# EAGLE board ControlModule-pan2 (EAGLE 7.2.0), part 1 of 9
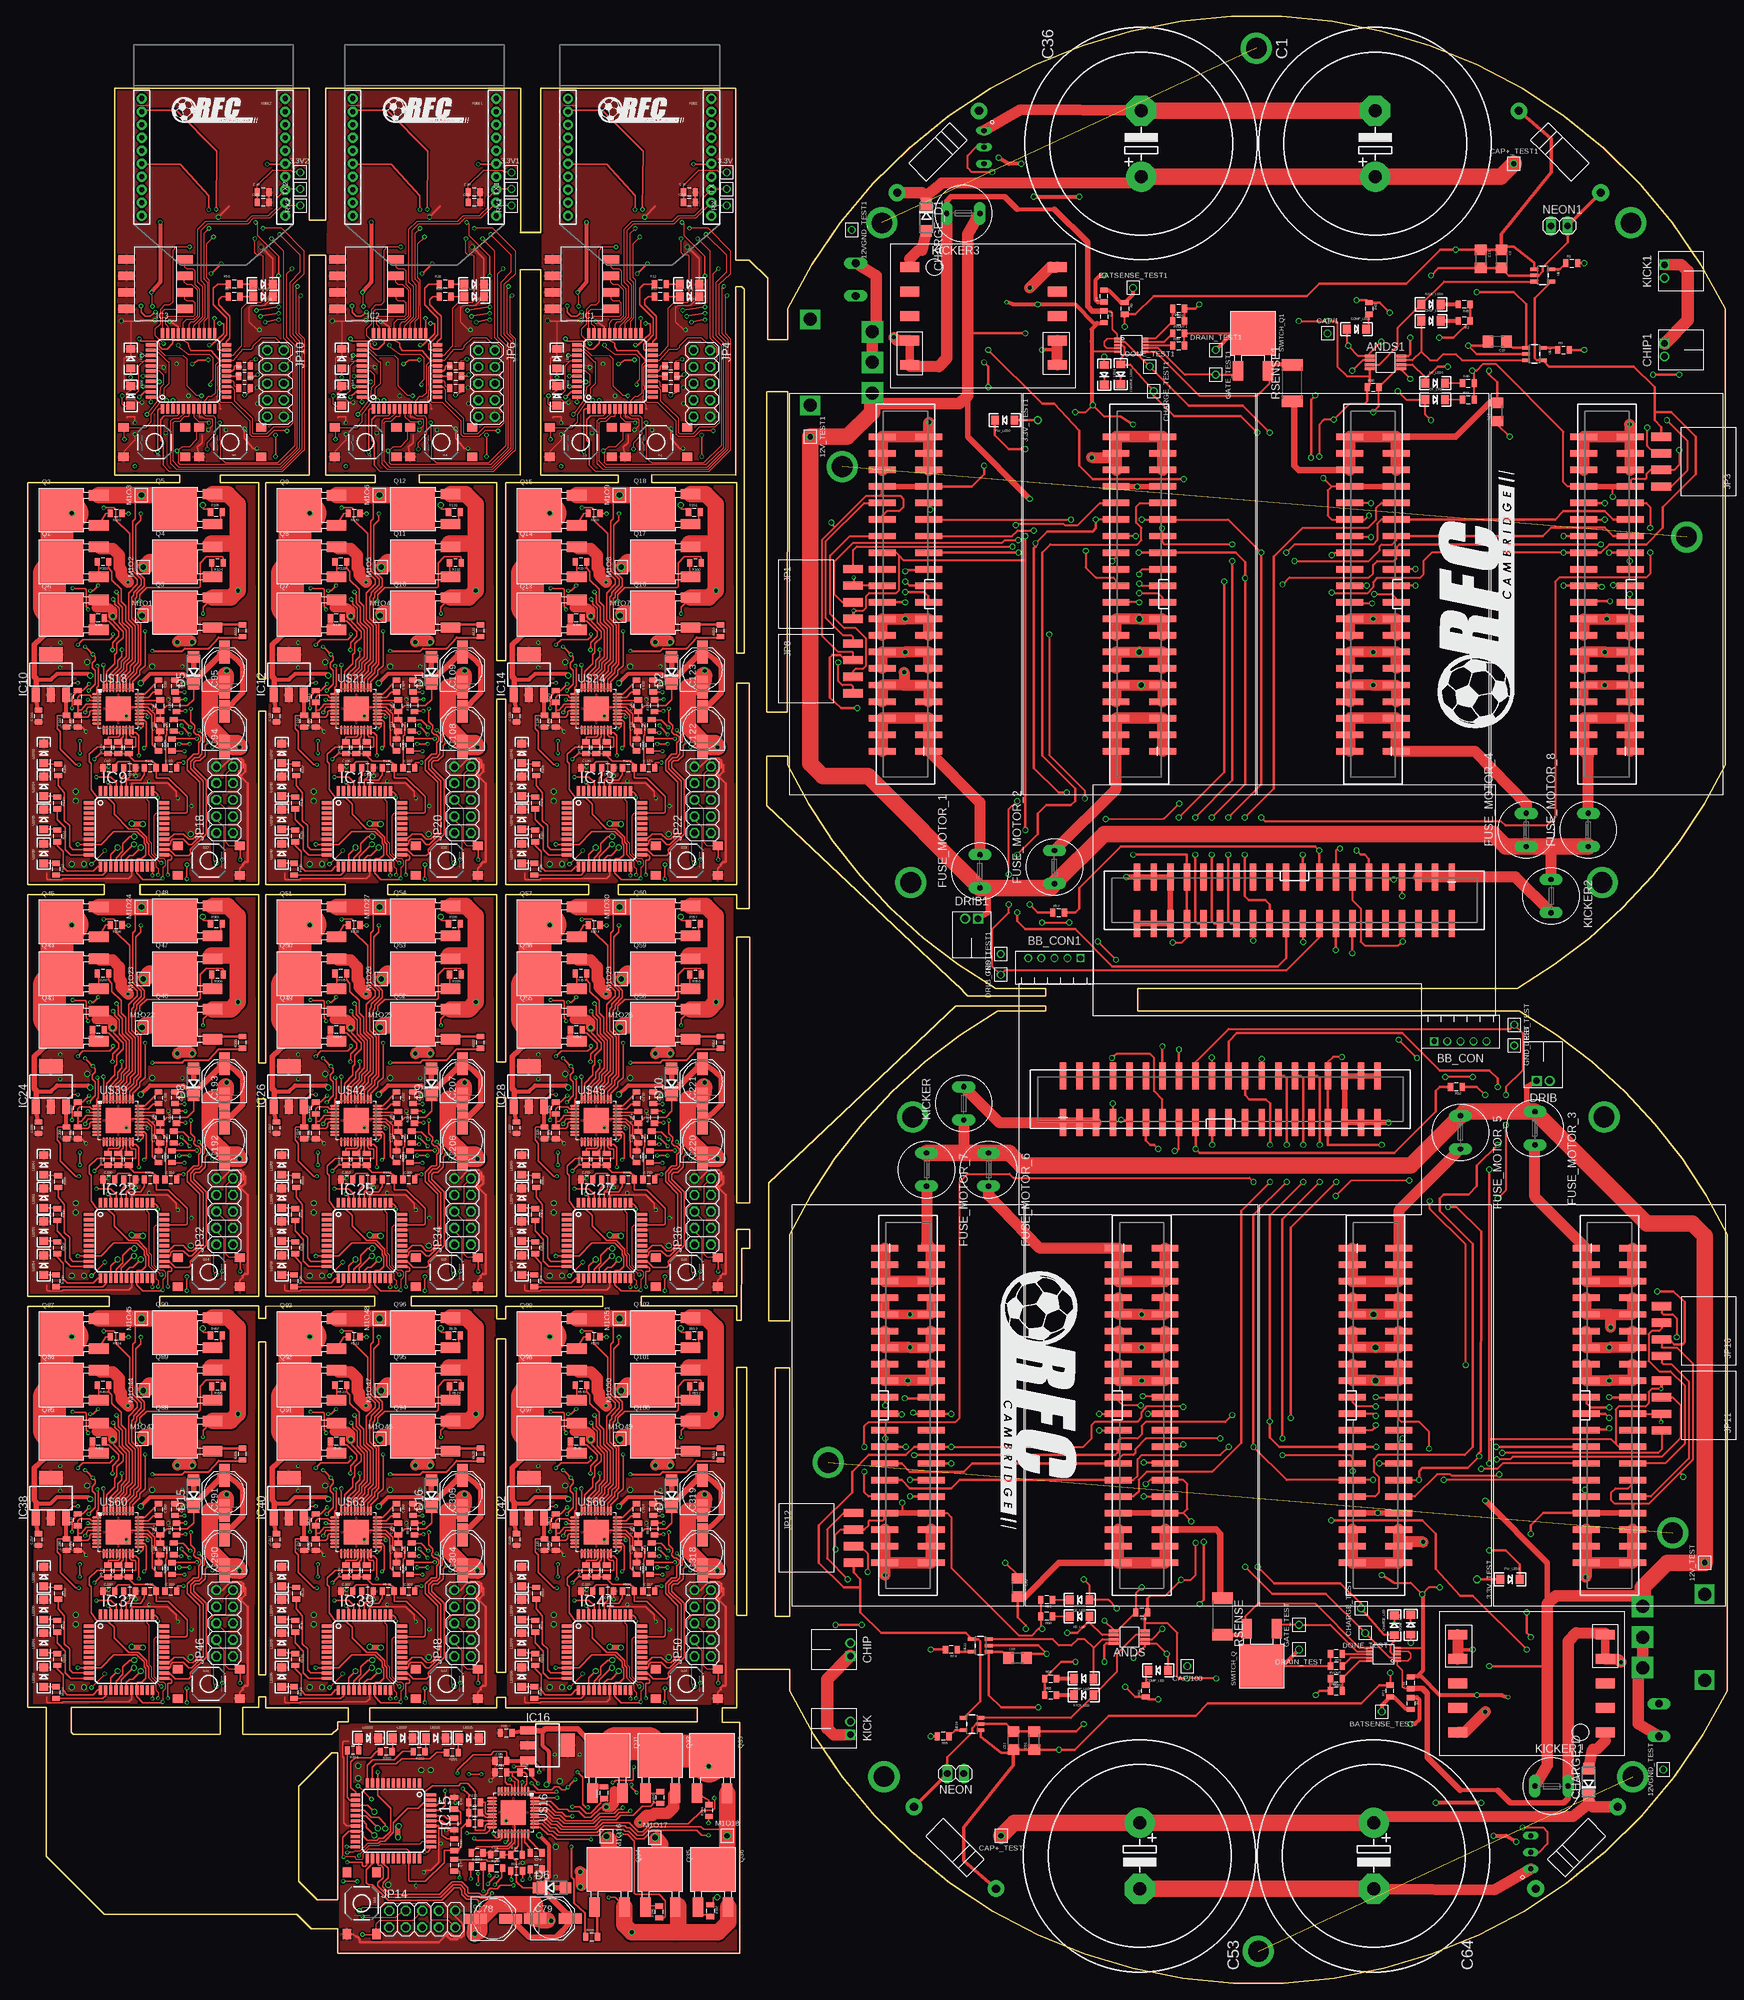
[diagram p0: board, top side]
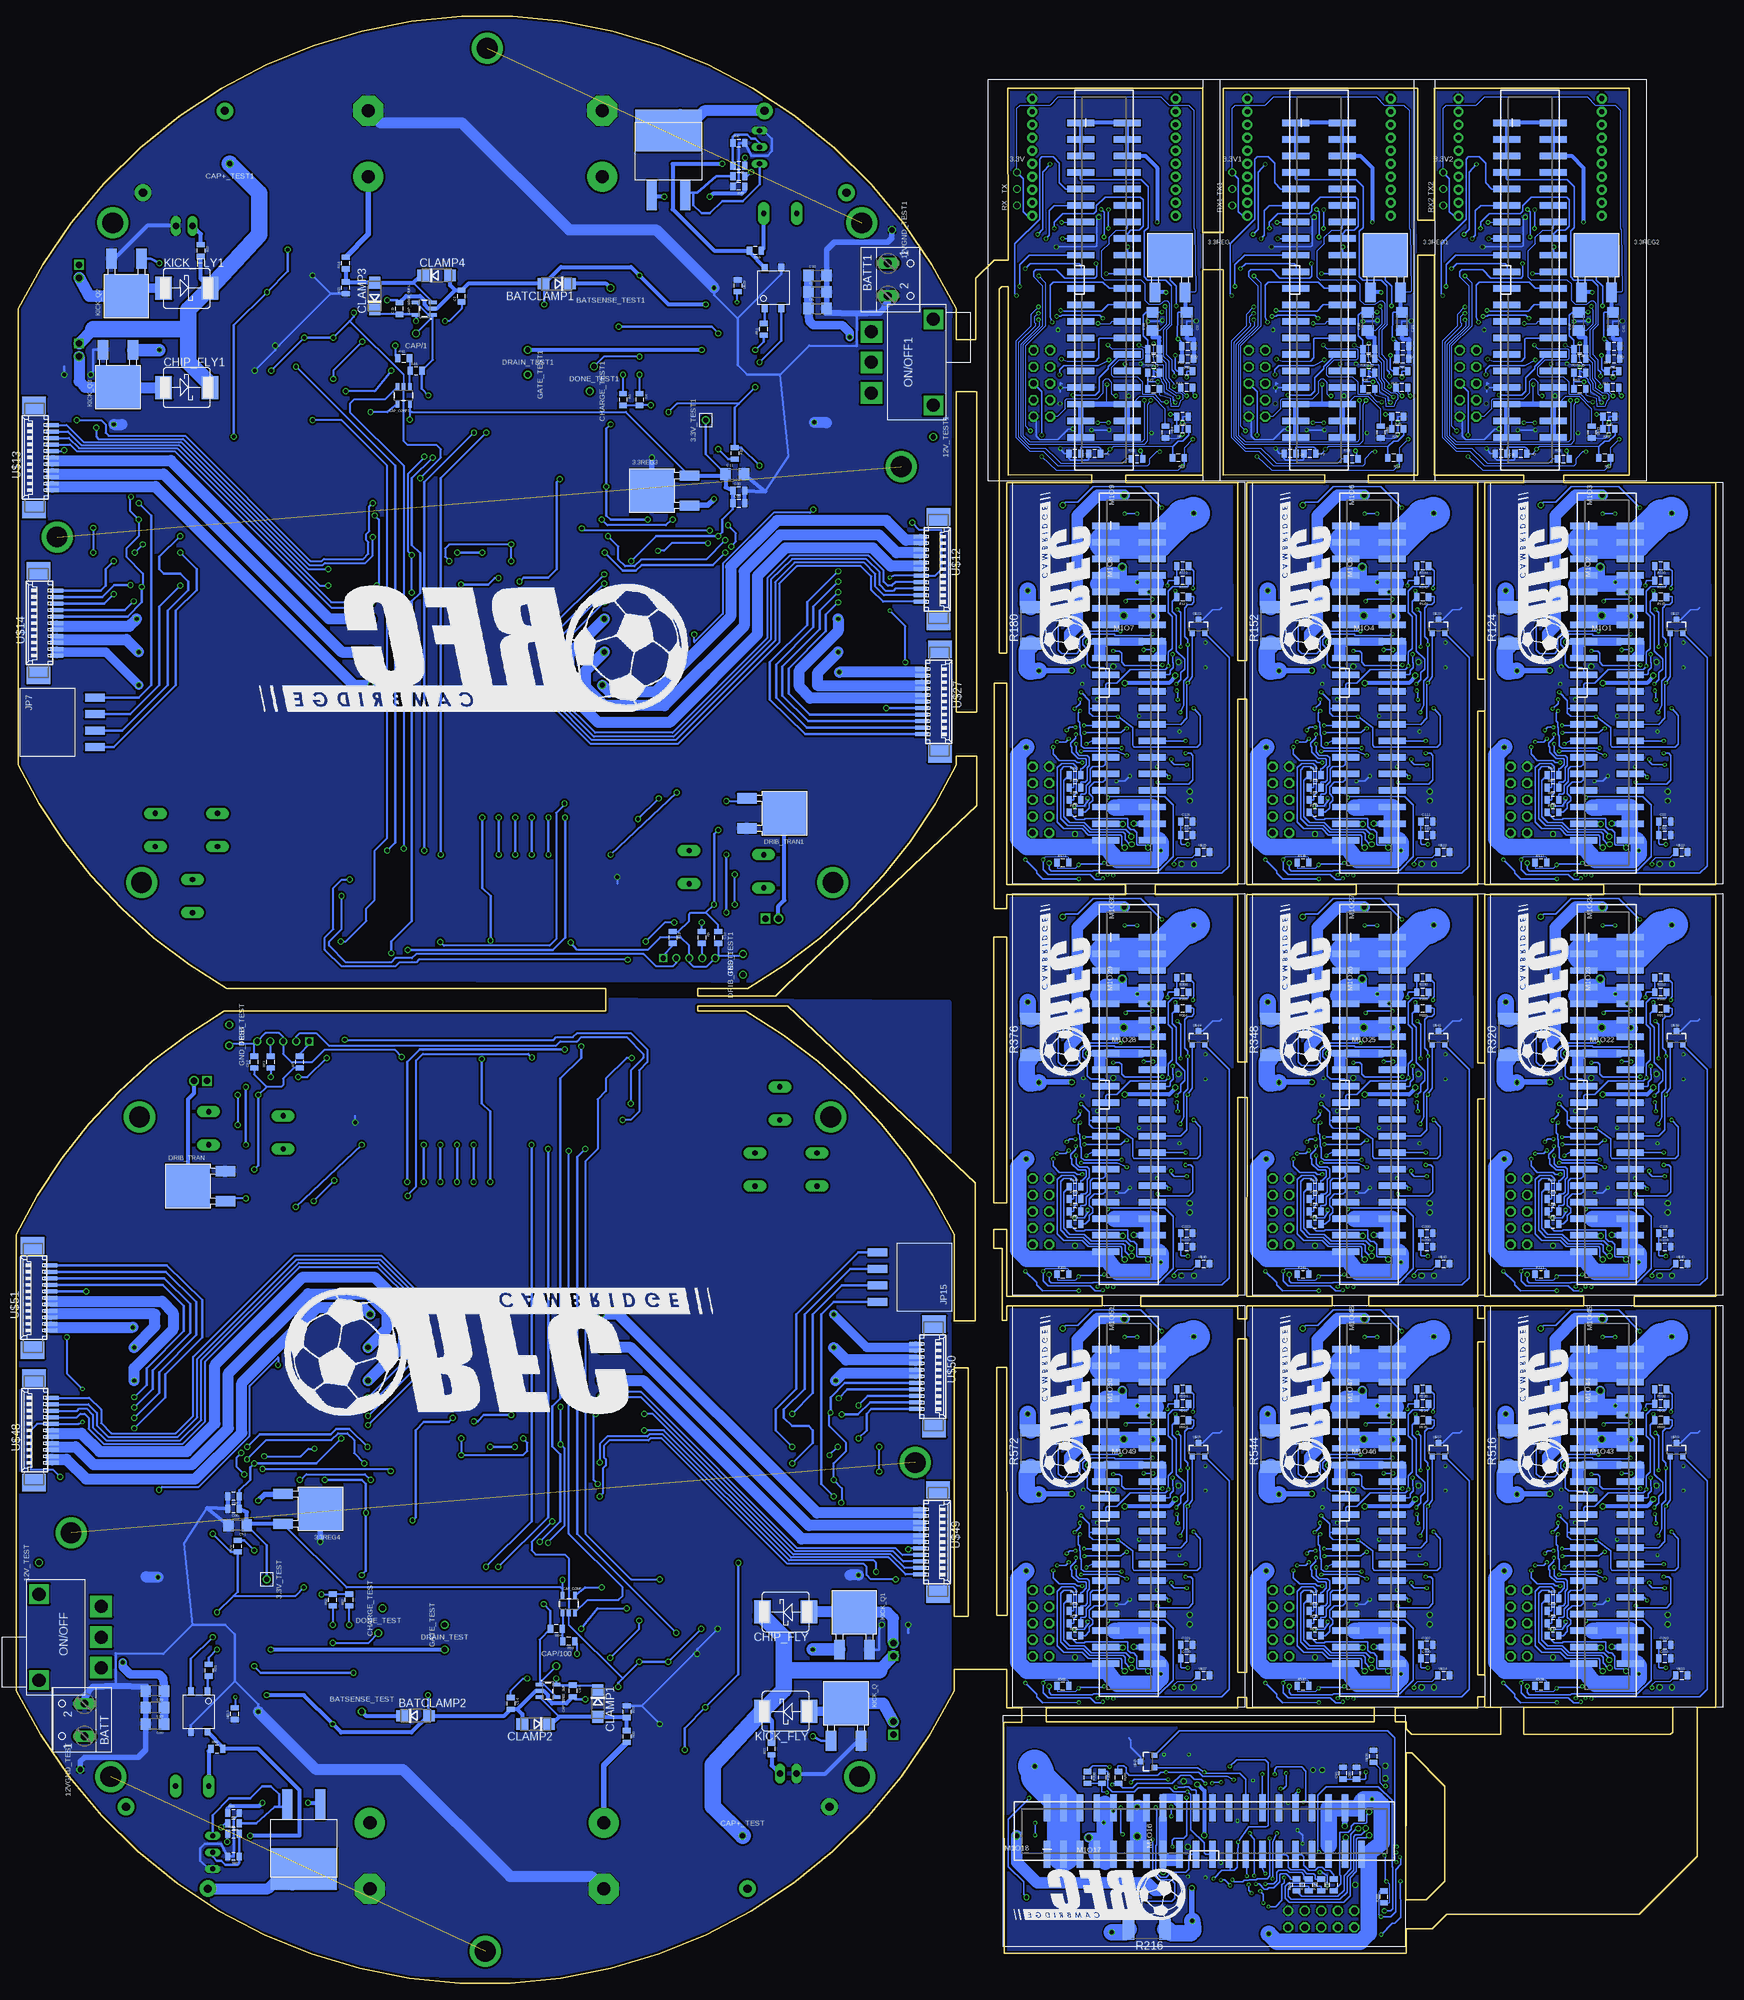
[diagram p1: board, bottom side, seen from below]

Size 260.75 x 301.86 mm. Coordinates in mm from the lower left corner, seen from the top.
Outline: 29.49,230.26 35.42,230.26 35.42,200.15 36.5,200.15
Outline: 17.22,167.08 17.22,168.61 35.42,168.61 35.41,195.22 36.5,195.22 36.51,168.61 48.69,168.6 48.69,167.08 36.51,167.08 36.51,141.23 35.42,141.23
Outline: 11.69,167.08 11.69,167.08
Outline: 35.41,200.15 36.51,200.15 36.51,230.29 53.32,230.27 53.32,231.48 45.69,231.48 45.7,265.22 43.21,265.22 43.18,231.48 29.49,231.47 29.49,230.27
Outline: 73.36,197.06 73.34,197.06
Outline: 73.34,197.06 73.34,168.61 86.03,168.6 86.03,167.08
Outline: 73.34,197.06 71.94,197.06 71.93,168.61 55.2,168.61 55.2,167.1 71.93,167.11 71.93,141.37
Outline: 73.34,230.26 73.36,202.97 71.93,202.97 71.93,230.29 60.02,230.27 60.02,231.49 75.56,231.48 75.57,262.96 78.72,262.96 78.71,231.48 90.55,231.48 90.55,230.27 73.33,230.26
Outline: 95.71,230.29 108.76,230.29 108.76,204.19
Outline: 108.79,199.56 108.76,168.61 90.58,168.61 90.58,167.08
Outline: 86.03,167.08 86.03,167.08
Outline: 11.69,167.08 0,167.08 0,105.42 12.47,105.42 12.47,103.91
Outline: 11.69,167.08 11.69,168.6 0,168.61 0,230.26 23.35,230.27 23.35,231.48 13.31,231.48 13.31,290.86 43.2,290.86 43.2,270.6 45.69,270.6
Outline: 17.2,168.6 17.2,167.08 35.42,167.11 35.42,141.23
Outline: 35.44,135.71 36.5,135.71 36.51,105.42 53.22,105.42
Outline: 35.44,135.71 35.42,105.42 20.27,105.41 20.27,103.91
Outline: 35.44,135.71 35.41,135.71
Outline: 35.41,141.23 35.42,141.23
Outline: 71.93,141.37 73.36,141.37 73.34,167.08 86.03,167.08
Outline: 73.36,135.91 73.34,135.91
Outline: 58.83,103.92 58.83,103.91
Outline: 53.22,105.42 53.22,103.91 36.51,103.9 36.5,103.9 36.5,102 35.44,102 35.44,103.92 35.42,103.92 20.25,103.93 20.25,105.43
Outline: 73.34,135.91 73.34,105.42 88.19,105.43 88.19,103.9 73.34,103.9 73.34,101.93 71.94,101.93
Outline: 73.34,135.91 71.91,135.91 71.93,105.42 58.83,105.43 58.83,103.92
Outline: 71.91,141.37 71.93,141.37
Outline: 90.55,168.6 90.55,167.08 108.76,167.11 108.76,164.97
Outline: 94.11,105.42 108.76,105.42 108.76,115.66 110.77,115.66 110.77,112.8 109.5,112.8 109.49,101.7 108.77,101.71 108.77,103.92 108.76,103.92 94.11,103.93 94.11,105.42
Outline: 12.47,105.43 12.47,103.9 0,103.9 0,42.32 2.82,42.32 2.82,19.45 11.71,10.56 41.24,10.56 43.46,8.34 47.52,8.34 47.52,4.63 109.2,4.63
Outline: 53.22,105.42 53.22,105.43
Outline: 58.83,103.92 71.93,103.92 71.93,101.93 73.33,101.93
Outline: 73.33,98.9 73.31,98.9
Outline: 73.36,43.84 73.34,43.86
Outline: 71.94,42.24 71.94,43.86 73.34,43.86
Outline: 71.94,42.24 71.94,42.24
Outline: 71.94,42.24 71.93,42.24 52.43,42.24 52.43,40.19 52.45,40.1 52.48,40.08 102.72,40.08 102.72,42.24 73.34,42.24 73.34,43.86
Outline: 73.31,98.9 73.36,47.67 71.94,47.67 71.94,98.9 73.31,98.9
Outline: 94.11,105.43 94.11,105.42
Outline: 108.79,94.47 108.74,56.46 110.32,56.46 110.32,94.49 108.79,94.49
Outline: 108.76,48.21 108.76,42.24 106.51,42.24 106.51,40.05
Outline: 106.51,40.08 106.51,42.24
Outline: 106.51,40.13 106.51,40.06 109.23,40.06 109.2,4.63
Outline: 142.4,149.95 113.64,122.78 113.64,101.67 116.87,101.67
Outline: 142.64,153.08 113.39,180.74 113.39,188.36 116.56,188.36 116.56,186.96 arc34 148.5,152.67 156.17,152.67 156.17,151.53 144.2,151.53 142.65,153.08
Outline: 113.39,244.24 113.39,195.04 116.54,195.04 116.56,244.24 113.54,244.24
Outline: 108.79,204.16 109.93,204.16 109.93,259.99 109.53,260.4 108.58,260.4 108.58,231.48 95.74,231.49 95.74,230.27
Outline: 108.82,199.56 110.7,199.56 110.7,164.92 108.77,164.92 108.77,164.94
Outline: 75.58,268.69 78.71,268.69 78.71,290.86 108.61,290.86 108.59,264.46 110.72,264.46 113.54,261.64 113.54,252.22 116.56,252.22 116.56,256.95 arc-128 260.43,256.95 260.43,186.96 arc-34 228.5,152.67 170.28,152.65 170.28,149.2
Outline: 45.69,270.6 45.69,290.86 75.59,290.86 75.59,268.69 78.7,268.69 78.7,268.68 75.57,268.68
Outline: 45.7,270.6 45.69,270.6
Outline: 116.87,101.67 116.88,114.91 arc-34 148.81,149.19 156.17,149.19 156.17,149.95 142.4,149.95
Outline: 116.87,101.67 116.88,101.67
Outline: 116.88,94.46 116.87,94.46
Outline: 116.87,94.46 114.68,94.46 114.68,56.28 116.87,56.28 116.87,94.46
Outline: 142.4,149.95 142.4,149.92
Outline: 170.28,149.19 170.28,149.2
Outline: 170.28,149.2 228.81,149.19 arc-34 260.75,114.91 260.75,44.91 arc-128 116.88,44.91 116.88,48.21 108.77,48.21
Outline: 108.77,160.58 108.77,119.78 110.77,119.78 110.75,160.58 108.77,160.58
Outline: 36.53,98.42 35.44,98.42 35.46,47.3 36.5,47.3 36.53,98.42
Outline: 35.45,43.96 35.45,42.32 32.98,42.31 32.98,38.19 46.64,38.19 46.64,38.17 47.52,39.05 47.52,40.11 49.18,40.11 49.18,42.24 36.5,42.24 36.49,43.96 35.45,43.96
Outline: 29.49,38.19 29.49,42.31 6.63,42.31 6.63,38.5 6.95,38.19 29.49,38.19
Outline: 46.64,35.33 41.56,30.25 41.56,15.64 44.42,12.79 47.54,12.79 47.53,35.33 46.64,35.33
Copper layers (1*16): Top 0.018mm / dielectric 1.55mm / Bottom 0.018mm
Design rules "eC_2Layer_PClass6_BaseCopperO18_eCDefault": minimum track width 0.15mm, minimum drill 0.35mm, track to track 0.15mm, track to pad 0.15mm, pad to pad 0.15mm, via to via 0.15mm, smd to smd 0mil, copper to edge 0.25mm, drill to drill 0.35mm, minimum pad ring 0.175mm, minimum via ring 0.125mm, stop-mask expansion 0mil, vias tented up to drill 0.45mm, thermal gap 0.2mm

## Footprints (pad centres in the part's own frame; a part is rotated, then mirrored left to right if it is on the bottom)
DPAK = smd 6.7 x 6.7: DRAIN 0,0 | smd 3 x 1.6: GATE 5.75,-2.3; SOURCE 5.75,2.3
TESTING_PT = drill 0.8: P$1 0,0
TSSOP8 = smd 1.5 x 0.45: P$1 -2.4,0.975; P$2 -2.4,0.325; P$3 -2.4,-0.325; P$4 -2.4,-0.975; P$5 2.4,-0.975; P$6 2.4,-0.325; P$7 2.4,0.325; P$8 2.4,0.975
DO214AC = smd 1.8 x 1.7: A 2.05,0; C -2.05,0
W237-102 = drill 1.194 long: 1 -2.5,-1.27; 2 2.5,-1.27
JST-5-2MM = drill 0.8 square: 1 4,0 | drill 0.8: 2 2,0; 3 0,0; 4 -2,0; 5 -4,0
EB35D = drill 2.007 pad 4.597: + -5.08,0 | drill 2.007 pad 4.597 octagon: - 5.08,0
0805 = smd 0.8 x 1.2: 1 -0.9,0; 2 0.9,0
1206 = smd 1.6 x 1.8: 1 -1.4,0; 2 1.4,0
PANASONIC_D = smd 3.5 x 1.6: + 2.7,0; - -2.7,0
SOT23-5 = smd 0.55 x 1.2: 1 -0.95,-1.3; 2 0,-1.3; 3 0.95,-1.3; 4 0.95,1.3; 5 -0.95,1.3
LED-1206 = smd 1.2 x 1.4: A -1.5,0; C 1.5,0
10-MSOP = smd 0.97 x 0.31: P$1 -0.485,-0.155; P$2 -0.485,-0.655; P$3 -0.485,-1.155; P$4 -0.485,-1.655; P$5 -0.485,-2.155; P$6 3.785,-2.155; P$7 3.785,-1.655; P$8 3.785,-1.155; P$9 3.785,-0.655; P$10 3.785,-0.155
JST-2-2MM = drill 1 square: 1 1,1 | drill 1: 2 -1,1
DO214AB = smd 2.54 x 3.556: ANODE 0,3.111; CATHODE 7.112,3.111
2X20_SHROUDED_SMT = smd 4.14 x 0.991: 1 -3.569,24.13; 2 3.569,24.13; 3 -3.569,21.59; 4 3.569,21.59; 5 -3.569,19.05; 6 3.569,19.05; 7 -3.569,16.51; 8 3.569,16.51; 9 -3.569,13.97; 10 3.569,13.97; 11 -3.569,11.43; 12 3.569,11.43; 13 -3.569,8.89; 14 3.569,8.89; 15 -3.569,6.35; 16 3.569,6.35; 17 -3.569,3.81; 18 3.569,3.81; 19 -3.569,1.27; 20 3.569,1.27; 21 -3.569,-1.27; 22 3.569,-1.27; 23 -3.569,-3.81; 24 3.569,-3.81; 25 -3.569,-6.35; 26 3.569,-6.35; 27 -3.569,-8.89; 28 3.569,-8.89; 29 -3.569,-11.43; 30 3.569,-11.43; 31 -3.569,-13.97; 32 3.569,-13.97; 33 -3.569,-16.51; 34 3.569,-16.51; 35 -3.569,-19.05; 36 3.569,-19.05; 37 -3.569,-21.59; 38 3.569,-21.59; 39 -3.569,-24.13; 40 3.569,-24.13
TR5 = drill 0.813 pad 1.778 long: 1 -2.54,0; 2 2.54,0
TQFP44 = smd 1.5 x 0.5: 1 -5.8,4; 2 -5.8,3.2; 3 -5.8,2.4; 4 -5.8,1.6; 5 -5.8,0.8; 6 -5.8,0; 7 -5.8,-0.8; 8 -5.8,-1.6; 9 -5.8,-2.4; 10 -5.8,-3.2; 11 -5.8,-4; 23 5.8,-4; 24 5.8,-3.2; 25 5.8,-2.4; 26 5.8,-1.6; 27 5.8,-0.8; 28 5.8,0; 29 5.8,0.8; 30 5.8,1.6; 31 5.8,2.4; 32 5.8,3.2; 33 5.8,4 | smd 0.5 x 1.5: 12 -4,-5.8; 13 -3.2,-5.8; 14 -2.4,-5.8; 15 -1.6,-5.8; 16 -0.8,-5.8; 17 0,-5.8; 18 0.8,-5.8; 19 1.6,-5.8; 20 2.4,-5.8; 21 3.2,-5.8; 22 4,-5.8; 34 4,5.8; 35 3.2,5.8; 36 2.4,5.8; 37 1.6,5.8; 38 0.8,5.8; 39 0,5.8; 40 -0.8,5.8; 41 -1.6,5.8; 42 -2.4,5.8; 43 -3.2,5.8; 44 -4,5.8
SOT223 = smd 1.219 x 2.235: 1 -2.311,-3.099; 2 0,-3.099; 3 2.311,-3.099 | smd 3.6 x 2.2: 4 0,3.099
1X04_SMD_RA_FEMALE = smd 1.25 x 3: 1 -3.81,7.225; 2 -1.27,7.225; 3 1.27,7.225; 4 3.81,7.225
2X05 = drill 1.016 octagon: 1 -5.08,-1.27; 2 -5.08,1.27; 3 -2.54,-1.27; 4 -2.54,1.27; 5 0,-1.27; 6 0,1.27; 7 2.54,-1.27; 8 2.54,1.27; 9 5.08,-1.27; 10 5.08,1.27
1X02 = drill 1.016 long: 1 -1.27,0; 2 1.27,0
CK_SWITCH = drill 2 pad 3.302 square: COM 0,0; IN1 4.699,0; IN2 -4.699,0 | drill 2 pad 2.54 square: SUP1 -6.604,-9.525; SUP2 6.604,-9.525
R2512 = smd 1.8 x 3.2: 1 -2.8,0; 2 2.8,0
TACTILE-SWITCH-SMD = smd 1.55 x 1.3: 1 -4.75,2.25; 2 4.75,2.25; 3 -4.75,-2.25; 4 4.75,-2.25
10-TRANSFORMER = smd 2.92 x 1.52: P$1 0,0; P$2 0,-3.75; P$3 0,-7.5; P$4 0,-11.25; P$5 0,-15; P$6 22.67,-15; P$7 22.67,-11.25; P$8 22.67,-7.5; P$9 22.67,-3.75; P$10 22.67,0
4-POS-DIP-SMD = smd 1.27 x 2.54: 1 -3.81,4.445; 2 -1.27,4.445; 3 1.27,4.445; 4 3.81,4.445; 5 3.81,-4.445; 6 1.27,-4.445; 7 -1.27,-4.445; 8 -3.81,-4.445
TO-263 = smd 1.524 x 4.572: LOWER_LEFT 2.54,-2.286; LOWER_RIGHT 7.62,-2.286 | smd 10.16 x 6.35: TAB 5.08,7.62
TO92 = drill 0.8 long: CENTER 2.54,0; LEFT 0,0; RIGHT 5.08,0
SOP4 = smd 0.889 x 1.143: 1 0.813,-0.584; 2 3.353,-0.584; 3 3.353,5.664; 4 0.813,5.639
THROUGH-HOLE-2 = drill 1.27 pad 2.54: + 0,0; - 17.78,0
GEN3CON = smd 0.61 x 2: 1 5,-2; 2 4,-2; 3 3,-2; 4 2,-2; 5 1,-2; 7 -1,-2; 8 -2,-2; 9 -3,-2; 10 -4,-2; 11 -5,-2 | smd 0.6 x 2: 6 0,-2 | smd 2.68 x 3.6: S1 8,0.8; S2 -8,0.8
SOT23-3 = smd 0.8 x 0.9: 1 -0.95,-1; 2 0.95,-1; 3 0,1.1
QFN40-6X6 = smd 1.458 x 0.28: 1 -3.279,2.25; 2 -3.279,1.75; 3 -3.279,1.25; 4 -3.279,0.75; 5 -3.279,0.25; 6 -3.279,-0.25; 7 -3.279,-0.75; 8 -3.279,-1.25; 9 -3.279,-1.75; 10 -3.279,-2.25; 21 3.279,-2.25; 22 3.279,-1.75; 23 3.279,-1.25; 24 3.279,-0.75; 25 3.279,-0.25; 26 3.279,0.25; 27 3.279,0.75; 28 3.279,1.25; 29 3.279,1.75; 30 3.279,2.25 | smd 0.28 x 1.458: 11 -2.25,-3.279; 12 -1.75,-3.279; 13 -1.25,-3.279; 14 -0.75,-3.279; 15 -0.25,-3.279; 16 0.25,-3.279; 17 0.75,-3.279; 18 1.25,-3.279; 19 1.75,-3.279; 20 2.25,-3.279; 31 2.25,3.279; 32 1.75,3.279; 33 1.25,3.279; 34 0.75,3.279; 35 0.25,3.279; 36 -0.25,3.279; 37 -0.75,3.279; 38 -1.25,3.279; 39 -1.75,3.279; 40 -2.25,3.279 | smd 3.81 x 3.81: P$3 0,0
XBEE-1 = drill 0.8 pad 1.524: 1 -11,20; 2 -11,18; 3 -11,16; 4 -11,14; 5 -11,12; 6 -11,10; 7 -11,8; 8 -11,6; 9 -11,4; 10 -11,2; 11 11,2; 12 11,4; 13 11,6; 14 11,8; 15 11,10; 16 11,12; 17 11,14; 18 11,16; 19 11,18; 20 11,20

## Placement (x,y rotation side)
3.3REG  3.3REG1AREG  [DPAK]  83.72,265.2 270 bottom
3.3REG1  3.3REG1AREG  [DPAK]  50.7,265.2 270 bottom
3.3REG2  3.3REG1AREG  [DPAK]  18.32,265.2 270 bottom
3.3REG3  3.3REG1AREG  [DPAK]  163.22,229.07 0 bottom
3.3REG4  3.3REG1AREG  [DPAK]  214.09,72.79 180 bottom
3.3V  TEST_PT  [TESTING_PT]  107.22,277.9 0 top
3.3V1  TEST_PT  [TESTING_PT]  74.2,277.9 0 top
3.3V2  TEST_PT  [TESTING_PT]  41.81,277.9 0 top
3.3V_TEST  TEST_PT  [TESTING_PT]  222.34,62 270 bottom
3.3V_TEST1  TEST_PT  [TESTING_PT]  154.97,239.86 90 bottom
12V_TEST  TEST_PT  [TESTING_PT]  257.27,64.54 90 top
12V_TEST1  TEST_PT  [TESTING_PT]  120.04,237.32 270 top
12VGND_TEST  TEST_PT  [TESTING_PT]  250.92,32.79 90 top
12VGND_TEST1  TEST_PT  [TESTING_PT]  126.39,269.07 270 top
ANDS  AND-DUAL  [TSSOP8]  169,53.11 0 top
ANDS1  AND-DUAL  [TSSOP8]  208.31,248.75 180 top
BATCLAMP1  DIODE-ZENERDO214AC  [DO214AC]  177.83,260.82 180 bottom
BATCLAMP2  DIODE-ZENERDO214AC  [DO214AC]  199.48,41.04 0 bottom
BATSENSE_TEST  TEST_PT  [TESTING_PT]  207.74,41.68 180 top
BATSENSE_TEST1  TEST_PT  [TESTING_PT]  169.57,260.18 0 top
BATT  [W237-102]  251.55,40.41 90 bottom
BATT1  [W237-102]  125.76,261.45 270 bottom
BB_CON  JST-5  [JST-5-2MM]  219.8,144.55 180 top
BB_CON1  JST-5  [JST-5-2MM]  157.51,157.31 0 top
C1  1500uF  [EB35D]  206.72,282.31 90 top
C2  .1uF  [0805]  192.43,258.91 90 bottom
C3  10uF  [0805]  165.13,255.74 270 top
C4  100pF  [0805]  176.56,255.1 0 top
C5  .1uF  [1206]  226.09,264.63 270 top
C6  47uF  [1206]  137.82,257.01 0 bottom
C7  47uF  [1206]  137.82,259.55 0 bottom
C8  1uF  [0805]  95.31,234.72 180 bottom
C9  47uF  [1206]  81.18,255.04 270 bottom
C10  47uF  [1206]  137.82,262.09 0 bottom
C11  47uF  [1206]  150.52,231.61 0 bottom
C12  4.7uF  [0805]  153.06,160.49 270 bottom
C13  10uF  [1206]  222.91,264.63 270 top
C14  0.01uF  [0805]  101.5,273.29 180 top
C15  1uF  [0805]  101.5,274.88 180 top
C16  1uF  [0805]  81.02,249.32 0 bottom
C17  0.01uF  [0805]  98.33,234.72 180 bottom
C18  0.1uF  [0805]  81.82,240.43 180 bottom
C19  47uF  [1206]  86.42,255.04 90 bottom
C20  1uF  [0805]  86.26,250.75 180 bottom
C21  0.01uF  [0805]  86.26,249.32 180 bottom
C22  0.01uF  [0805]  81.02,251.23 0 bottom
C23  1uF  [0805]  62.29,234.72 180 bottom
C24  47uF  [1206]  48.16,255.04 270 bottom
C25  0.01uF  [0805]  68.48,273.29 180 top
C26  1uF  [0805]  68.48,274.88 180 top
C27  1uF  [0805]  48,249.32 0 bottom
C28  0.01uF  [0805]  65.31,234.72 180 bottom
C29  0.1uF  [0805]  48.8,240.43 180 bottom
C30  47uF  [1206]  53.4,255.04 90 bottom
C31  1uF  [0805]  53.24,250.75 180 bottom
C32  0.01uF  [0805]  53.24,249.32 180 bottom
C33  0.01uF  [0805]  48,251.23 0 bottom
C34  .1uF  [1206]  225.45,241.13 90 top
C35  .1uF  [0805]  201.96,257.01 90 bottom
C36  1500uF  [EB35D]  170.82,282.31 90 top
C37  10uF  [1206]  225.45,251.93 180 top
C38  1uF  [0805]  149.89,229.07 0 bottom
C39  .01uF  [0805]  149.89,227.16 0 bottom
C40  1uF  [0805]  29.91,234.72 180 bottom
C41  47uF  [1206]  15.78,255.04 270 bottom
C42  0.01uF  [0805]  36.1,273.29 180 top
C43  1uF  [0805]  36.1,274.88 180 top
C44  1uF  [0805]  15.62,249.32 0 bottom
C45  0.01uF  [0805]  32.92,234.72 180 bottom
C46  0.1uF  [0805]  16.41,240.43 180 bottom
C47  47uF  [1206]  21.02,255.04 90 bottom
C48  1uF  [0805]  20.86,250.75 180 bottom
C49  0.01uF  [0805]  20.86,249.32 180 bottom
C50  0.01uF  [0805]  15.62,251.23 0 bottom
C51  47uF  [1206]  226.79,70.25 180 bottom
C52  4.7uF  [0805]  224.25,141.37 90 bottom
C53  1500uF  [EB35D]  170.59,19.55 270 top
C54  .1uF  [0805]  184.88,42.95 270 bottom
C55  10uF  [0805]  212.18,46.12 90 top
C56  100pF  [0805]  200.75,46.76 180 top
C57  .1uF  [1206]  151.22,37.23 90 top
C58  47uF  [1206]  239.49,44.85 180 bottom
C59  47uF  [1206]  239.49,42.31 180 bottom
C60  47uF  [1206]  239.49,39.77 180 bottom
C61  10uF  [1206]  154.4,37.23 90 top
C62  .1uF  [1206]  151.86,60.73 270 top
C63  .1uF  [0805]  175.35,44.85 270 bottom
C64  1500uF  [EB35D]  206.49,19.55 270 top
C65  10uF  [1206]  151.86,49.93 0 top
C66  1uF  [0805]  227.42,72.79 180 bottom
C67  .01uF  [0805]  227.42,74.7 180 bottom
C73  1uF  [0805]  68.94,20.01 180 top
C74  0.1uF  [0805]  77.99,20.01 180 top
C75  .1uF  [0805]  65.45,24.45 90 top
C76  .1uF  [0805]  65.45,27.63 270 top
C77  .1uF  [0805]  65.45,18.1 270 top
C78  100uF  [PANASONIC_D]  71.4,9.89 0 top
C79  100uF  [PANASONIC_D]  80.5,9.91 0 top
C80  1uF  [0805]  55.13,32.23 90 bottom
C81  .01uF  [0805]  57.19,32.23 90 bottom
C82  1uF  [0805]  74.97,19.72 0 top
C83  .1uF  [0805]  77.99,17.47 180 top
C84  0.1uF  [0805]  71.93,19.74 0 top
C85  .1uF  [0805]  73.38,38.42 0 top
C86  .1uF  [0805]  72.59,34.13 0 top
C89  1uF  [0805]  20.05,190.03 270 top
C90  0.1uF  [0805]  20.05,199.08 270 top
C91  .1uF  [0805]  15.6,186.53 180 top
C92  .1uF  [0805]  12.43,186.53 0 top
C93  .1uF  [0805]  21.95,186.53 0 top
C94  100uF  [PANASONIC_D]  30.16,192.49 90 top
C95  100uF  [PANASONIC_D]  30.14,201.59 90 top
C96  1uF  [0805]  7.83,176.22 0 bottom
C97  .01uF  [0805]  7.83,178.28 0 bottom
C98  1uF  [0805]  20.33,196.06 90 top
C99  .1uF  [0805]  22.59,199.08 270 top
C100  0.1uF  [0805]  20.32,193.02 90 top
C101  .1uF  [0805]  1.63,194.47 90 top
C102  .1uF  [0805]  5.92,193.68 90 top
C103  1uF  [0805]  56.56,190.03 270 top
C104  0.1uF  [0805]  56.56,199.08 270 top
C105  .1uF  [0805]  52.12,186.53 180 top
C106  .1uF  [0805]  48.94,186.53 0 top
C107  .1uF  [0805]  58.47,186.53 0 top
C108  100uF  [PANASONIC_D]  66.67,192.49 90 top
C109  100uF  [PANASONIC_D]  66.66,201.59 90 top
C110  1uF  [0805]  44.34,176.22 0 bottom
C111  .01uF  [0805]  44.34,178.28 0 bottom
C112  1uF  [0805]  56.85,196.06 90 top
C113  .1uF  [0805]  59.1,199.08 270 top
C114  0.1uF  [0805]  56.83,193.02 90 top
C115  .1uF  [0805]  38.15,194.47 90 top
C116  .1uF  [0805]  42.43,193.68 90 top
C117  1uF  [0805]  93.39,190.03 270 top
C118  0.1uF  [0805]  93.39,199.08 270 top
C119  .1uF  [0805]  88.95,186.53 180 top
C120  .1uF  [0805]  85.77,186.53 0 top
C121  .1uF  [0805]  95.3,186.53 0 top
C122  100uF  [PANASONIC_D]  103.5,192.49 90 top
C123  100uF  [PANASONIC_D]  103.49,201.59 90 top
C124  1uF  [0805]  81.17,176.22 0 bottom
C125  .01uF  [0805]  81.17,178.28 0 bottom
C126  1uF  [0805]  93.68,196.06 90 top
C127  .1uF  [0805]  95.93,199.08 270 top
C128  0.1uF  [0805]  93.66,193.02 90 top
C129  .1uF  [0805]  74.98,194.47 90 top
C130  .1uF  [0805]  79.26,193.68 90 top
C187  1uF  [0805]  20.05,126.84 270 top
C188  0.1uF  [0805]  20.05,135.89 270 top
C189  .1uF  [0805]  15.6,123.35 180 top
C190  .1uF  [0805]  12.43,123.35 0 top
C191  .1uF  [0805]  21.95,123.35 0 top
C192  100uF  [PANASONIC_D]  30.16,129.3 90 top
C193  100uF  [PANASONIC_D]  30.14,138.41 90 top
C194  1uF  [0805]  7.83,113.03 0 bottom
C195  .01uF  [0805]  7.83,115.1 0 bottom
C196  1uF  [0805]  20.33,132.88 90 top
C197  .1uF  [0805]  22.59,135.89 270 top
C198  0.1uF  [0805]  20.32,129.83 90 top
C199  .1uF  [0805]  1.63,131.29 90 top
C200  .1uF  [0805]  5.92,130.5 90 top
C201  1uF  [0805]  56.56,126.84 270 top
C202  0.1uF  [0805]  56.56,135.89 270 top
C203  .1uF  [0805]  52.12,123.35 180 top
C204  .1uF  [0805]  48.94,123.35 0 top
C205  .1uF  [0805]  58.47,123.35 0 top
C206  100uF  [PANASONIC_D]  66.67,129.3 90 top
C207  100uF  [PANASONIC_D]  66.66,138.41 90 top
C208  1uF  [0805]  44.34,113.03 0 bottom
C209  .01uF  [0805]  44.34,115.1 0 bottom
C210  1uF  [0805]  56.85,132.88 90 top
C211  .1uF  [0805]  59.1,135.89 270 top
C212  0.1uF  [0805]  56.83,129.83 90 top
C213  .1uF  [0805]  38.15,131.29 90 top
C214  .1uF  [0805]  42.43,130.5 90 top
C215  1uF  [0805]  93.39,126.84 270 top
C216  0.1uF  [0805]  93.39,135.89 270 top
C217  .1uF  [0805]  88.95,123.35 180 top
C218  .1uF  [0805]  85.77,123.35 0 top
C219  .1uF  [0805]  95.3,123.35 0 top
C220  100uF  [PANASONIC_D]  103.5,129.3 90 top
C221  100uF  [PANASONIC_D]  103.49,138.41 90 top
C222  1uF  [0805]  81.17,113.03 0 bottom
C223  .01uF  [0805]  81.17,115.1 0 bottom
C224  1uF  [0805]  93.68,132.88 90 top
C225  .1uF  [0805]  95.93,135.89 270 top
C226  0.1uF  [0805]  93.66,129.83 90 top
C227  .1uF  [0805]  74.98,131.29 90 top
C228  .1uF  [0805]  79.26,130.5 90 top
C285  1uF  [0805]  20.05,63.66 270 top
C286  0.1uF  [0805]  20.05,72.71 270 top
C287  .1uF  [0805]  15.6,60.17 180 top
C288  .1uF  [0805]  12.43,60.17 0 top
C289  .1uF  [0805]  21.95,60.17 0 top
C290  100uF  [PANASONIC_D]  30.16,66.12 90 top
C291  100uF  [PANASONIC_D]  30.14,75.22 90 top
C292  1uF  [0805]  7.83,49.85 0 bottom
C293  .01uF  [0805]  7.83,51.91 0 bottom
C294  1uF  [0805]  20.33,69.69 90 top
C295  .1uF  [0805]  22.59,72.71 270 top
C296  0.1uF  [0805]  20.32,66.65 90 top
C297  .1uF  [0805]  1.63,68.11 90 top
C298  .1uF  [0805]  5.92,67.31 90 top
C299  1uF  [0805]  56.56,63.66 270 top
C300  0.1uF  [0805]  56.56,72.71 270 top
C301  .1uF  [0805]  52.12,60.17 180 top
C302  .1uF  [0805]  48.94,60.17 0 top
C303  .1uF  [0805]  58.47,60.17 0 top
C304  100uF  [PANASONIC_D]  66.67,66.12 90 top
C305  100uF  [PANASONIC_D]  66.66,75.22 90 top
C306  1uF  [0805]  44.34,49.85 0 bottom
C307  .01uF  [0805]  44.34,51.91 0 bottom
C308  1uF  [0805]  56.85,69.69 90 top
C309  .1uF  [0805]  59.1,72.71 270 top
C310  0.1uF  [0805]  56.83,66.65 90 top
C311  .1uF  [0805]  38.15,68.11 90 top
C312  .1uF  [0805]  42.43,67.31 90 top
C313  1uF  [0805]  93.39,63.66 270 top
C314  0.1uF  [0805]  93.39,72.71 270 top
C315  .1uF  [0805]  88.95,60.17 180 top
C316  .1uF  [0805]  85.77,60.17 0 top
C317  .1uF  [0805]  95.3,60.17 0 top
C318  100uF  [PANASONIC_D]  103.5,66.12 90 top
C319  100uF  [PANASONIC_D]  103.49,75.22 90 top
C320  1uF  [0805]  81.17,49.85 0 bottom
C321  .01uF  [0805]  81.17,51.91 0 bottom
C322  1uF  [0805]  93.68,69.69 90 top
C323  .1uF  [0805]  95.93,72.71 270 top
C324  0.1uF  [0805]  93.66,66.65 90 top
C325  .1uF  [0805]  74.98,68.11 90 top
C326  .1uF  [0805]  79.26,67.31 90 top
CAP+_TEST  TEST_PT  [TESTING_PT]  149.32,22.63 180 top
CAP+_TEST1  TEST_PT  [TESTING_PT]  227.99,279.23 0 top
CAP/1  TEST_PT  [TESTING_PT]  199.42,253.2 0 top
CAP/100  TEST_PT  [TESTING_PT]  177.89,48.66 180 top
CAP_COMP  LM331  [SOT23-5]  175.99,58.19 0 bottom
CAP_COMP1  LM331  [SOT23-5]  201.32,243.67 180 bottom
CAP_SENSE_BUF  MCP6291T-E/OT  [SOT23-5]  179.16,44.85 270 bottom
CAP_SENSE_BUF1  MCP6291T-E/OT  [SOT23-5]  198.15,257.01 90 bottom
CE_LED  [LED-1206]  161.38,58.82 180 top
CE_LED1  [LED-1206]  215.93,243.04 0 top
CHARGE_D  1kV, ultrafast  [DO214AC]  239.49,30.88 90 top
CHARGE_D1  1kV, ultrafast  [DO214AC]  137.82,270.98 270 top
CHARGE_LED  [LED-1206]  209.64,54.93 90 top
CHARGE_LED1  [LED-1206]  167.67,246.93 270 top
CHARGE_TEST  TEST_PT  [TESTING_PT]  204.56,57.55 90 top
CHARGE_TEST1  TEST_PT  [TESTING_PT]  172.75,244.31 270 top
CHARGE_U  LT3750  [10-MSOP]  209.64,49.3 180 top
CHARGE_U1  LT3750  [10-MSOP]  167.67,252.56 0 top
CHIP  JST-22MM  [JST-2-2MM]  125.19,51.2 270 top
CHIP1  JST-22MM  [JST-2-2MM]  252.12,250.66 90 top
CHIP_FLY  DIODE-ZENERDO214AB  [DO214AB]  139.16,60.09 180 bottom
CHIP_FLY1  DIODE-ZENERDO214AB  [DO214AB]  238.15,241.77 0 bottom
CHIP_LED  [LED-1206]  162.02,46.76 180 top
CHIP_LED1  [LED-1206]  215.29,255.1 0 top
CLAMP1  DIODE-ZENERDO214AC  [DO214AC]  171.54,42.95 270 bottom
CLAMP2  DIODE-ZENERDO214AC  [DO214AC]  181.07,39.77 180 bottom
CLAMP3  DIODE-ZENERDO214AC  [DO214AC]  205.77,258.91 90 bottom
CLAMP4  DIODE-ZENERDO214AC  [DO214AC]  196.24,262.09 0 bottom
COM_BOARD  M20X2SHROUDED_SMT  [2X20_SHROUDED_SMT]  182.97,135.66 90 top
COM_BOARD1  M20X2SHROUDED_SMT  [2X20_SHROUDED_SMT]  194.34,166.2 270 top